# KiCad board lumpen.kicad_pcb (continued)
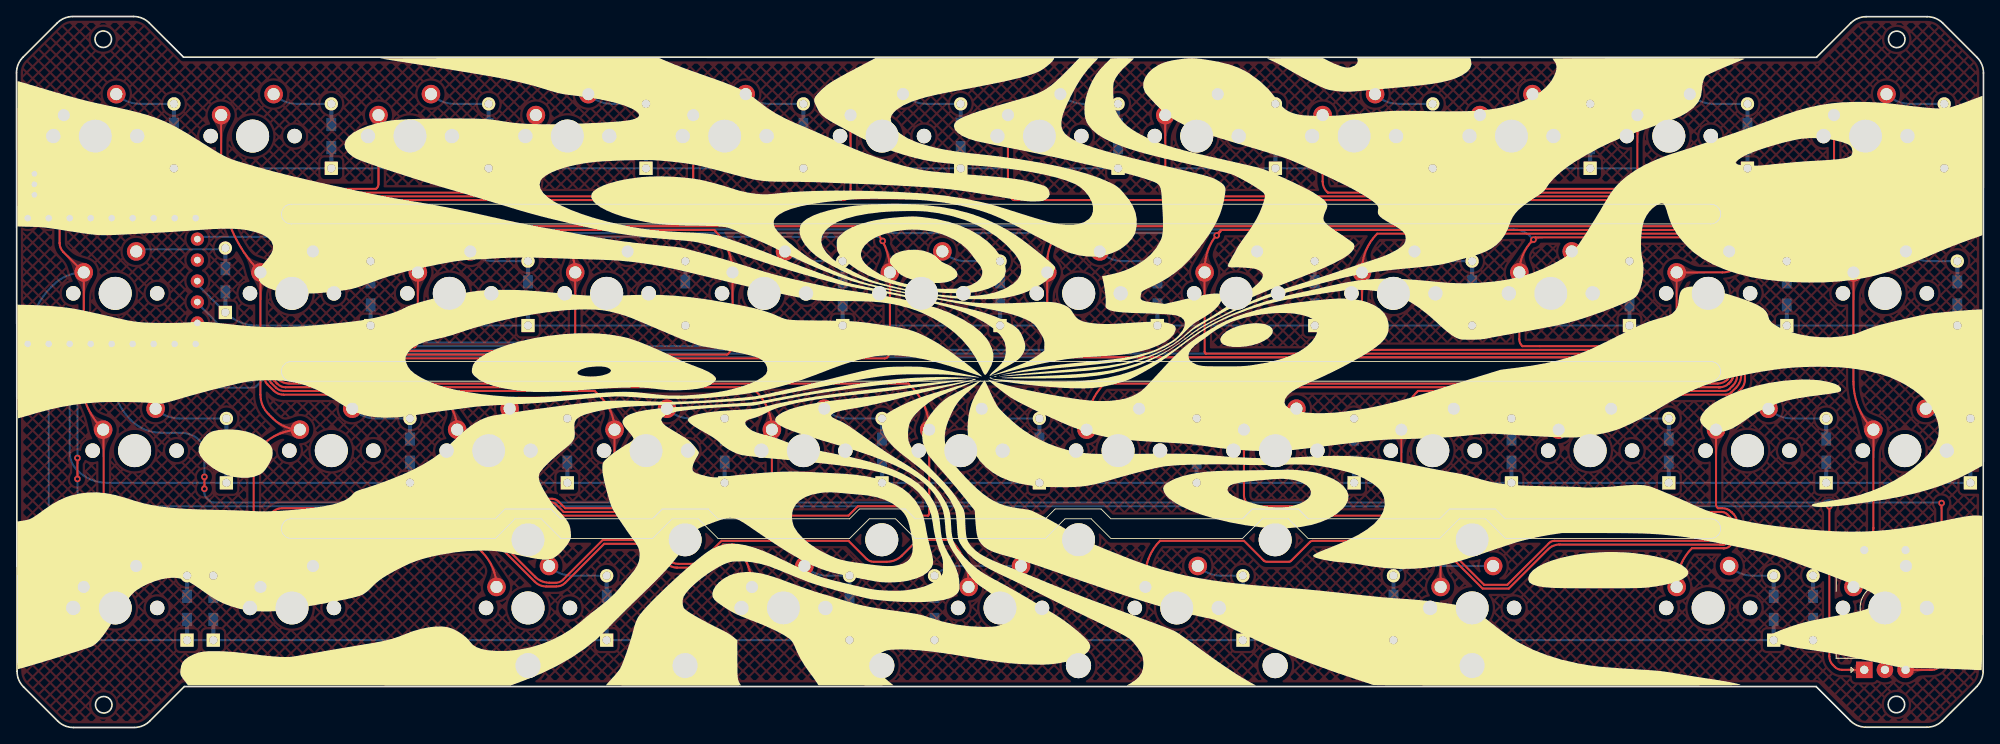
[diagram p0: board, top side]
## Copper pours and planes (outline as drawn; the poured copper is in the pictures) (continued)
COL3 on Top: 67.76,51.75 67.76,51.97 67.77,52.17 67.78,52.35 67.8,52.51 67.82,52.67 67.84,52.81 67.87,52.94 67.91,53.07 67.94,53.19 67.99,53.3 68.03,53.42 68.09,53.53 68.14,53.65 68.2,53.76 68.41,54.15 68.48,54.3 68.56,54.46 68.65,54.63 67.64,55.68 66.62,54.63 66.71,54.46 66.79,54.3 66.87,54.15 67.07,53.76 67.13,53.65 67.19,53.53 67.24,53.42 67.29,53.3 67.33,53.19 67.37,53.07 67.4,52.94 67.43,52.81 67.46,52.67 67.48,52.51 67.49,52.35 67.5,52.17 67.51,51.97 67.51,51.75
COL3 on Top: 66.6,58.26 66.7,58.09 66.79,57.93 66.86,57.78 66.92,57.64 66.97,57.5 67,57.37 67.02,57.24 67.03,57.12 67.03,57 67.03,56.88 67.01,56.76 66.98,56.64 66.95,56.52 66.91,56.39 66.87,56.26 66.82,56.13 66.76,55.98 66.65,55.68 66.58,55.51 67.69,54.56 68.59,55.73 68.48,55.9 68.37,56.06 68.28,56.2 68.19,56.33 68.11,56.46 67.34,57.57 67.25,57.71 67.15,57.86 67.05,58.02 66.93,58.2 66.81,58.39
COL3 on Top: 71.83,38.21 71.91,37.98 71.94,37.78 71.94,37.61 71.89,37.45 71.83,37.31 71.74,37.16 71.64,37.01 71.53,36.85 71.43,36.67 71.34,36.46 72.46,35.51 73.36,36.66 73.21,36.88 73.07,37.05 72.94,37.19 72.81,37.31 72.68,37.42 72.55,37.54 72.43,37.68 72.31,37.85 72.18,38.05 72.06,38.31
COL3 on Top: 67.1,57.28 67.17,57.04 67.2,56.84 67.19,56.66 67.15,56.51 67.07,56.36 66.99,56.22 66.88,56.07 66.78,55.91 66.68,55.73 66.58,55.51 67.69,54.56 68.6,55.7 68.46,55.92 68.32,56.09 68.19,56.23 68.06,56.35 67.93,56.47 67.81,56.59 67.68,56.73 67.57,56.9 67.45,57.11 67.33,57.37
COL3 on Top: 67.76,52.88 67.78,53.14 67.82,53.36 67.88,53.54 67.96,53.69 68.06,53.83 68.17,53.96 68.29,54.09 68.41,54.24 68.53,54.42 68.65,54.63 67.64,55.68 66.62,54.63 66.74,54.42 66.86,54.24 66.98,54.09 67.1,53.96 67.21,53.83 67.31,53.69 67.39,53.54 67.46,53.36 67.5,53.14 67.51,52.88
COL3 on Bottom: 23.74,48.67 23.63,48.82 23.52,48.92 23.4,48.99 23.27,49.03 23.15,49.06 23.02,49.08 22.9,49.12 22.79,49.17 22.68,49.26 22.59,49.39 21.49,48.99 22.24,48.27 22.39,48.36 22.54,48.45 22.68,48.55 22.82,48.64 22.95,48.72 23.08,48.77 23.2,48.79 23.31,48.76 23.42,48.69 23.52,48.55
COL3 on Bottom: 24.11,48.34 24,48.45 23.9,48.54 23.81,48.62 23.72,48.69 23.63,48.75 23.55,48.81 23.47,48.86 23.4,48.9 23.11,49.06 23.03,49.11 22.96,49.15 22.88,49.2 22.8,49.26 22.72,49.32 22.64,49.39 22.55,49.47 22.46,49.56 21.49,48.99 22.24,48.27 22.34,48.32 22.44,48.37 22.53,48.41 22.62,48.45 22.7,48.48 22.79,48.51 22.87,48.53 22.95,48.55 23.03,48.56 23.11,48.57 23.19,48.57 23.27,48.56 23.35,48.54 23.43,48.52 23.51,48.48 23.59,48.44 23.67,48.39 23.76,48.33 23.84,48.25 23.93,48.17
COL4 on Top: 88.14,20.21 88.23,20.04 88.31,19.87 88.37,19.71 88.42,19.56 88.45,19.42 88.48,19.29 88.49,19.16 88.5,19.03 88.49,18.91 88.48,18.79 88.45,18.67 88.42,18.55 88.39,18.43 88.34,18.31 88.29,18.18 88.24,18.04 88.12,17.76 88.06,17.6 87.99,17.43 89.08,16.46 90.01,17.59 89.9,17.76 89.81,17.92 89.72,18.07 89.63,18.21 89.55,18.33 89.12,18.99 89.05,19.11 88.98,19.22 88.91,19.34 88.83,19.48 88.75,19.62 88.66,19.77 88.57,19.94 88.47,20.13 88.36,20.33
COL4 on Top: 82.05,71.93 82.06,72.19 82.11,72.41 82.17,72.59 82.25,72.74 82.35,72.88 82.46,73.01 82.58,73.14 82.7,73.29 82.82,73.47 82.94,73.68 81.92,74.73 80.91,73.68 81.03,73.47 81.15,73.29 81.27,73.14 81.39,73.01 81.5,72.88 81.6,72.74 81.68,72.59 81.74,72.41 81.78,72.19 81.8,71.93
COL4 on Top: 85.78,58.32 85.87,58.14 85.94,57.97 86.01,57.81 86.06,57.66 86.09,57.52 86.12,57.39 86.13,57.26 86.14,57.13 86.13,57.01 86.12,56.89 86.1,56.77 86.07,56.65 86.03,56.53 85.99,56.41 85.94,56.28 85.89,56.14 85.77,55.85 85.7,55.7 85.64,55.53 86.73,54.56 87.66,55.69 87.55,55.87 87.46,56.03 87.37,56.17 87.28,56.31 87.2,56.44 86.77,57.1 86.7,57.21 86.62,57.32 86.55,57.44 86.47,57.58 86.39,57.72 86.3,57.87 86.21,58.04 86.11,58.23 86,58.43
COL4 on Top: 82.05,70.8 82.05,71.02 82.06,71.22 82.07,71.4 82.09,71.56 82.11,71.72 82.13,71.86 82.16,71.99 82.19,72.12 82.23,72.24 82.27,72.35 82.32,72.47 82.37,72.58 82.43,72.7 82.49,72.81 82.69,73.2 82.77,73.35 82.85,73.51 82.94,73.68 81.92,74.73 80.91,73.68 81,73.51 81.08,73.35 81.16,73.2 81.36,72.81 81.42,72.7 81.48,72.58 81.53,72.47 81.57,72.35 81.62,72.24 81.65,72.12 81.69,71.99 81.72,71.86 81.74,71.72 81.76,71.56 81.78,71.4 81.79,71.22 81.8,71.02 81.8,70.8
COL4 on Top: 90.95,38.24 91.02,38 91.04,37.8 91.02,37.62 90.97,37.46 90.9,37.32 90.81,37.18 90.71,37.03 90.6,36.87 90.49,36.69 90.4,36.47 91.5,35.51 92.42,36.65 92.28,36.86 92.14,37.03 92.01,37.17 91.88,37.3 91.75,37.42 91.63,37.54 91.52,37.68 91.4,37.85 91.29,38.06 91.18,38.32
COL4 on Top: 86.81,51.75 86.81,51.97 86.82,52.17 86.83,52.35 86.85,52.51 86.87,52.67 86.89,52.81 86.92,52.94 86.96,53.07 86.99,53.19 87.04,53.3 87.08,53.42 87.14,53.53 87.19,53.65 87.25,53.76 87.46,54.15 87.53,54.3 87.61,54.46 87.7,54.63 86.69,55.68 85.67,54.63 85.76,54.46 85.84,54.3 85.92,54.15 86.12,53.76 86.18,53.65 86.24,53.53 86.29,53.42 86.34,53.3 86.38,53.19 86.42,53.07 86.45,52.94 86.48,52.81 86.51,52.67 86.53,52.51 86.54,52.35 86.55,52.17 86.56,51.97 86.56,51.75
COL4 on Top: 86.81,52.88 86.83,53.14 86.87,53.36 86.93,53.54 87.01,53.69 87.11,53.83 87.22,53.96 87.34,54.09 87.46,54.24 87.58,54.42 87.7,54.63 86.69,55.68 85.67,54.63 85.79,54.42 85.91,54.24 86.03,54.09 86.15,53.96 86.26,53.83 86.36,53.69 86.44,53.54 86.51,53.36 86.55,53.14 86.56,52.88
COL4 on Top: 90.49,39.24 90.59,39.07 90.67,38.9 90.73,38.75 90.79,38.6 90.83,38.46 90.85,38.33 90.87,38.2 90.88,38.08 90.88,37.96 90.87,37.84 90.85,37.72 90.82,37.6 90.78,37.47 90.74,37.35 90.69,37.22 90.64,37.09 90.46,36.64 90.4,36.47 91.5,35.51 92.42,36.65 92.31,36.82 92.21,36.98 92.12,37.13 92.03,37.27 91.95,37.39 91.88,37.51 91.44,38.16 91.37,38.27 91.29,38.39 91.21,38.52 91.12,38.66 91.03,38.82 90.93,38.98 90.82,39.17 90.71,39.37
COL4 on Top: 86.21,57.3 86.27,57.06 86.29,56.85 86.27,56.67 86.22,56.52 86.15,56.37 86.05,56.23 85.95,56.08 85.84,55.92 85.74,55.74 85.64,55.53 86.73,54.56 87.66,55.69 87.52,55.9 87.38,56.08 87.25,56.22 87.12,56.34 87,56.46 86.88,56.59 86.76,56.73 86.65,56.9 86.55,57.11 86.45,57.38
COL4 on Top: 88.57,19.2 88.63,18.95 88.65,18.75 88.63,18.57 88.58,18.42 88.5,18.27 88.41,18.13 88.3,17.98 88.19,17.83 88.09,17.64 87.99,17.43 89.08,16.46 90.01,17.59 89.87,17.8 89.74,17.97 89.61,18.12 89.48,18.24 89.36,18.36 89.24,18.49 89.12,18.63 89.01,18.8 88.91,19.01 88.81,19.28
COL4 on Top: 91.57,32.7 91.58,32.92 91.58,33.12 91.59,33.3 91.61,33.46 91.63,33.62 91.66,33.76 91.69,33.89 91.72,34.02 91.76,34.14 91.8,34.25 91.85,34.37 91.9,34.48 91.95,34.6 92.01,34.71 92.22,35.1 92.3,35.25 92.38,35.41 92.46,35.58 91.45,36.63 90.44,35.58 90.52,35.41 90.6,35.25 90.68,35.1 90.89,34.71 90.95,34.6 91,34.48 91.05,34.37 91.1,34.25 91.14,34.14 91.18,34.02 91.21,33.89 91.24,33.76 91.27,33.62 91.29,33.46 91.3,33.3 91.32,33.12 91.32,32.92 91.32,32.7
COL4 on Top: 91.57,33.83 91.59,34.09 91.63,34.31 91.69,34.49 91.78,34.64 91.88,34.78 91.99,34.91 92.1,35.04 92.22,35.19 92.34,35.37 92.46,35.58 91.45,36.63 90.44,35.58 90.55,35.37 90.68,35.19 90.8,35.04 90.91,34.91 91.02,34.78 91.12,34.64 91.2,34.49 91.27,34.31 91.31,34.09 91.32,33.83
COL4 on Bottom: 23.24,46.31 23.08,46.32 22.94,46.35 22.83,46.39 22.74,46.45 22.66,46.52 22.59,46.6 22.52,46.69 22.44,46.8 22.35,46.9 22.25,47.02 21.3,46.59 21.77,45.66 21.95,45.69 22.11,45.73 22.24,45.78 22.36,45.83 22.47,45.89 22.59,45.94 22.71,45.99 22.86,46.02 23.03,46.05 23.24,46.06
COL4 on Bottom: 24.04,46.31 23.9,46.31 23.77,46.31 23.65,46.32 23.54,46.32 23.44,46.33 23.34,46.35 23.25,46.36 23.17,46.38 23.09,46.41 23.01,46.44 22.93,46.47 22.86,46.51 22.79,46.55 22.72,46.6 22.65,46.65 22.57,46.71 22.5,46.78 22.42,46.85 22.34,46.93 22.25,47.02 21.3,46.59 21.77,45.66 21.92,45.68 22.05,45.7 22.17,45.72 22.28,45.74 22.39,45.77 22.49,45.79 22.58,45.82 22.85,45.9 22.94,45.93 23.04,45.95 23.13,45.97 23.23,45.99 23.34,46.01 23.46,46.03 23.59,46.04 23.73,46.05 23.88,46.06 24.04,46.06
COL5 on Top: 104.97,58.36 105.05,58.18 105.12,58 105.17,57.84 105.21,57.69 105.24,57.54 105.26,57.4 105.26,57.27 105.26,57.15 105.25,57.03 105.23,56.91 105.2,56.79 105.17,56.67 105.12,56.55 105.08,56.42 105.02,56.3 104.96,56.16 104.84,55.88 104.77,55.72 104.7,55.55 105.77,54.56 106.72,55.67 106.62,55.85 106.53,56.01 106.44,56.16 106.36,56.29 106.01,56.88 105.94,56.98 105.88,57.09 105.82,57.21 105.75,57.33 105.68,57.45 105.61,57.59 105.54,57.73 105.46,57.89 105.38,58.07 105.3,58.26 105.2,58.46
COL5 on Top: 114.92,19.23 114.97,18.98 114.97,18.77 114.94,18.59 114.87,18.43 114.79,18.29 114.68,18.15 114.57,18.01 114.45,17.86 114.33,17.68 114.23,17.47 115.29,16.46 116.25,17.56 116.12,17.77 116,17.95 115.87,18.09 115.64,18.35 115.53,18.48 115.43,18.63 115.33,18.8 115.25,19.02 115.17,19.29
COL5 on Top: 110.62,32.7 110.63,32.92 110.63,33.12 110.64,33.3 110.66,33.46 110.68,33.62 110.71,33.76 110.74,33.89 110.77,34.02 110.81,34.14 110.85,34.25 110.9,34.37 110.95,34.48 111,34.6 111.06,34.71 111.27,35.1 111.35,35.25 111.43,35.41 111.51,35.58 110.5,36.63 109.49,35.58 109.57,35.41 109.65,35.25 109.73,35.1 109.94,34.71 110,34.6 110.05,34.48 110.1,34.37 110.15,34.25 110.19,34.14 110.23,34.02 110.26,33.89 110.29,33.76 110.32,33.62 110.34,33.46 110.35,33.3 110.37,33.12 110.37,32.92 110.37,32.7
COL5 on Top: 101.1,71.93 101.11,72.19 101.16,72.41 101.22,72.59 101.3,72.74 101.4,72.88 101.51,73.01 101.63,73.14 101.75,73.29 101.87,73.47 101.99,73.68 100.97,74.73 99.96,73.68 100.08,73.47 100.2,73.29 100.32,73.14 100.44,73.01 100.55,72.88 100.65,72.74 100.73,72.59 100.79,72.41 100.83,72.19 100.85,71.93
COL5 on Top: 105.86,52.88 105.88,53.14 105.92,53.36 105.98,53.54 106.06,53.69 106.16,53.83 106.27,53.96 106.39,54.09 106.51,54.24 106.63,54.42 106.75,54.63 105.74,55.68 104.72,54.63 104.84,54.42 104.96,54.24 105.08,54.09 105.2,53.96 105.31,53.83 105.41,53.69 105.49,53.54 105.56,53.36 105.6,53.14 105.61,52.88
COL5 on Top: 110.62,33.83 110.64,34.09 110.68,34.31 110.74,34.49 110.83,34.64 110.93,34.78 111.04,34.91 111.15,35.04 111.27,35.19 111.39,35.37 111.51,35.58 110.5,36.63 109.49,35.58 109.6,35.37 109.73,35.19 109.85,35.04 109.96,34.91 110.07,34.78 110.17,34.64 110.25,34.49 110.32,34.31 110.36,34.09 110.37,33.83
COL5 on Top: 101.1,70.8 101.1,71.02 101.11,71.22 101.12,71.4 101.14,71.56 101.16,71.72 101.18,71.86 101.21,71.99 101.24,72.12 101.28,72.24 101.32,72.35 101.37,72.47 101.42,72.58 101.48,72.7 101.54,72.81 101.74,73.2 101.82,73.35 101.9,73.51 101.99,73.68 100.97,74.73 99.96,73.68 100.05,73.51 100.13,73.35 100.21,73.2 100.41,72.81 100.47,72.7 100.53,72.58 100.58,72.47 100.62,72.35 100.67,72.24 100.7,72.12 100.74,71.99 100.77,71.86 100.79,71.72 100.81,71.56 100.83,71.4 100.84,71.22 100.85,71.02 100.85,70.8
COL5 on Top: 105.86,51.75 105.86,51.97 105.87,52.17 105.88,52.35 105.9,52.51 105.92,52.67 105.94,52.81 105.97,52.94 106.01,53.07 106.04,53.19 106.09,53.3 106.13,53.42 106.19,53.53 106.24,53.65 106.3,53.76 106.51,54.15 106.58,54.3 106.66,54.46 106.75,54.63 105.74,55.68 104.72,54.63 104.81,54.46 104.89,54.3 104.97,54.15 105.17,53.76 105.23,53.65 105.29,53.53 105.34,53.42 105.39,53.3 105.43,53.19 105.47,53.07 105.5,52.94 105.53,52.81 105.56,52.67 105.58,52.51 105.59,52.35 105.6,52.17 105.61,51.97 105.61,51.75
COL5 on Top: 114.58,20.28 114.65,20.09 114.72,19.91 114.76,19.75 114.8,19.59 114.82,19.45 114.84,19.31 114.84,19.18 114.83,19.06 114.82,18.93 114.79,18.81 114.76,18.7 114.72,18.58 114.68,18.46 114.63,18.34 114.57,18.21 114.51,18.08 114.37,17.79 114.3,17.63 114.23,17.47 115.29,16.46 116.25,17.56 116.15,17.73 116.07,17.9 115.98,18.05 115.57,18.77 115.51,18.88 115.45,18.99 115.39,19.11 115.33,19.23 115.26,19.35 115.2,19.49 115.13,19.64 115.06,19.8 114.98,19.97 114.9,20.16 114.81,20.37
COL5 on Top: 110.04,38.25 110.1,38.01 110.11,37.8 110.09,37.62 110.04,37.47 109.96,37.32 109.87,37.18 109.77,37.04 109.66,36.88 109.55,36.7 109.45,36.48 110.54,35.51 111.47,36.64 111.33,36.85 111.2,37.02 111.07,37.17 110.94,37.29 110.82,37.41 110.7,37.54 110.58,37.68 110.48,37.85 110.37,38.06 110.28,38.33
COL5 on Top: 105.35,57.32 105.4,57.07 105.4,56.86 105.38,56.68 105.32,56.53 105.23,56.38 105.14,56.25 105.03,56.1 104.91,55.94 104.8,55.76 104.7,55.55 105.77,54.56 106.72,55.67 106.59,55.89 106.46,56.06 106.33,56.21 106.21,56.33 106.09,56.46 105.97,56.58 105.87,56.73 105.77,56.9 105.67,57.12 105.59,57.39
COL5 on Top: 109.62,39.28 109.71,39.1 109.78,38.93 109.84,38.77 109.89,38.62 109.92,38.47 109.95,38.34 109.96,38.21 109.96,38.09 109.96,37.96 109.94,37.84 109.92,37.72 109.89,37.61 109.85,37.48 109.81,37.36 109.76,37.23 109.7,37.1 109.58,36.81 109.52,36.65 109.45,36.48 110.54,35.51 111.47,36.64 111.37,36.81 111.27,36.97 111.18,37.12 111.1,37.26 111.02,37.38 110.66,37.94 110.59,38.04 110.52,38.15 110.45,38.27 110.38,38.39 110.3,38.53 110.22,38.67 110.14,38.83 110.05,39 109.95,39.18 109.85,39.39
COL5 on Bottom: 24.24,59.55 24.08,59.56 23.93,59.56 23.79,59.57 23.66,59.58 23.55,59.6 23.44,59.62 23.33,59.64 23.24,59.66 23.15,59.69 22.79,59.79 22.69,59.82 22.59,59.84 22.49,59.87 22.37,59.89 22.25,59.91 22.12,59.93 21.97,59.95 21.52,59.02 22.47,58.6 22.55,58.68 22.63,58.76 22.71,58.84 22.78,58.9 22.86,58.96 22.93,59.02 23,59.06 23.07,59.11 23.14,59.14 23.22,59.18 23.29,59.21 23.37,59.23 23.46,59.25 23.55,59.27 23.65,59.28 23.75,59.29 23.86,59.3 23.98,59.3 24.11,59.3 24.24,59.3
COL5 on Bottom: 23.44,59.55 23.24,59.56 23.06,59.59 22.92,59.63 22.79,59.67 22.67,59.73 22.56,59.78 22.44,59.83 22.31,59.88 22.16,59.92 21.97,59.95 21.52,59.02 22.47,58.6 22.57,58.71 22.65,58.82 22.73,58.92 22.8,59.01 22.87,59.09 22.95,59.16 23.04,59.22 23.15,59.27 23.28,59.29 23.44,59.3
COL6 on Top: 124.77,57.46 124.71,57.18 124.63,56.95 124.54,56.76 124.45,56.6 124.35,56.46 124.13,56.19 124.01,56.03 123.9,55.84 123.77,55.61 124.79,54.56 125.8,55.61 125.68,55.83 125.55,56.01 125.43,56.16 125.31,56.31 125.2,56.44 125.1,56.59 125.03,56.75 124.99,56.93 124.98,57.15 125.02,57.41
COL6 on Top: 120.15,71.93 120.16,72.19 120.21,72.41 120.27,72.59 120.35,72.74 120.45,72.88 120.56,73.01 120.68,73.14 120.8,73.29 120.92,73.47 121.04,73.68 120.02,74.73 119.01,73.68 119.13,73.47 119.25,73.29 119.37,73.14 119.49,73.01 119.6,72.88 119.7,72.74 119.78,72.59 119.84,72.41 119.88,72.19 119.9,71.93
COL6 on Top: 124.91,51.75 124.91,51.97 124.92,52.17 124.93,52.35 124.95,52.51 124.97,52.67 124.99,52.81 125.02,52.94 125.06,53.07 125.09,53.19 125.14,53.3 125.18,53.42 125.24,53.53 125.29,53.65 125.35,53.76 125.56,54.15 125.63,54.3 125.71,54.46 125.8,54.63 124.79,55.68 123.77,54.63 123.86,54.46 123.94,54.3 124.02,54.15 124.22,53.76 124.28,53.65 124.34,53.53 124.39,53.42 124.44,53.3 124.48,53.19 124.52,53.07 124.55,52.94 124.58,52.81 124.61,52.67 124.63,52.51 124.64,52.35 124.65,52.17 124.66,51.97 124.66,51.75
COL6 on Top: 120.15,70.8 120.15,71.02 120.16,71.22 120.17,71.4 120.19,71.56 120.21,71.72 120.23,71.86 120.26,71.99 120.29,72.12 120.33,72.24 120.37,72.35 120.42,72.47 120.47,72.58 120.53,72.7 120.59,72.81 120.79,73.2 120.87,73.35 120.95,73.51 121.04,73.68 120.02,74.73 119.01,73.68 119.1,73.51 119.18,73.35 119.26,73.2 119.46,72.81 119.52,72.7 119.58,72.58 119.63,72.47 119.67,72.35 119.72,72.24 119.75,72.12 119.79,71.99 119.82,71.86 119.84,71.72 119.86,71.56 119.88,71.4 119.89,71.22 119.9,71.02 119.9,70.8
COL6 on Top: 129.67,38.34 129.59,38.07 129.5,37.86 129.4,37.68 129.29,37.53 129.18,37.4 128.95,37.15 128.82,37 128.69,36.83 128.56,36.61 129.52,35.51 130.59,36.51 130.48,36.72 130.37,36.9 130.25,37.06 130.14,37.2 130.04,37.34 129.95,37.48 129.89,37.64 129.86,37.82 129.86,38.03 129.91,38.28
COL6 on Top: 124.91,52.88 124.93,53.14 124.97,53.36 125.03,53.54 125.11,53.69 125.21,53.83 125.32,53.96 125.44,54.09 125.56,54.24 125.68,54.42 125.8,54.63 124.79,55.68 123.77,54.63 123.89,54.42 124.01,54.24 124.13,54.09 124.25,53.96 124.36,53.83 124.46,53.69 124.54,53.54 124.61,53.36 124.65,53.14 124.66,52.88
COL6 on Bottom: 19.18,44.85 19.19,45.04 19.22,45.19 19.26,45.31 19.32,45.41 19.39,45.51 19.46,45.59 19.55,45.68 19.64,45.78 19.73,45.9 19.82,46.03 19.18,46.85 18.39,46.18 18.46,46.02 18.53,45.88 18.6,45.77 18.67,45.66 18.74,45.56 18.8,45.46 18.86,45.34 18.9,45.21 18.93,45.05 18.93,44.85
COL6 on Bottom: 19.18,44.05 19.19,44.2 19.19,44.34 19.2,44.47 19.2,44.58 19.22,44.69 19.23,44.79 19.25,44.89 19.27,44.98 19.29,45.06 19.32,45.14 19.35,45.22 19.39,45.3 19.43,45.38 19.47,45.46 19.52,45.54 19.57,45.63 19.82,46.03 19.18,46.85 18.39,46.18 18.44,46.05 18.49,45.93 18.53,45.82 18.69,45.44 18.72,45.36 18.76,45.27 18.79,45.19 18.81,45.1 18.84,45.02 18.86,44.92 18.88,44.83 18.9,44.72 18.91,44.61 18.92,44.49 18.93,44.36 18.93,44.21 18.93,44.05
COL7 on Top: 136.96,20.56 136.48,19.33 136.42,19.2 136.37,19.08 136.32,18.95 136.27,18.83 136.21,18.71 136.16,18.59 136.1,18.46 136.04,18.33 135.97,18.19 135.9,18.04 135.65,17.51 136.66,16.46 137.67,17.51 137.59,17.69 137.5,17.85 137.35,18.14 137.28,18.28 137.21,18.41 137.15,18.54 137.1,18.67 137.05,18.79 137.01,18.92 136.98,19.04 136.96,19.17 136.95,19.3 136.95,19.44 136.96,19.59 136.98,19.74 137.01,19.91 137.06,20.08 137.12,20.27 137.19,20.47
COL7 on Top: 143.96,51.75 143.96,51.97 143.97,52.17 143.98,52.35 144,52.51 144.02,52.67 144.04,52.81 144.07,52.94 144.11,53.07 144.14,53.19 144.19,53.3 144.23,53.42 144.29,53.53 144.34,53.65 144.4,53.76 144.61,54.15 144.68,54.3 144.76,54.46 144.85,54.63 143.84,55.68 142.82,54.63 142.91,54.46 142.99,54.3 143.07,54.15 143.27,53.76 143.33,53.65 143.39,53.53 143.44,53.42 143.49,53.3 143.53,53.19 143.57,53.07 143.6,52.94 143.63,52.81 143.66,52.67 143.68,52.51 143.69,52.35 143.7,52.17 143.71,51.97 143.71,51.75
COL7 on Top: 144.38,58.46 144.28,58.26 144.19,58.07 144.11,57.9 144.03,57.74 143.95,57.59 143.88,57.46 143.81,57.33 143.74,57.21 143.68,57.1 143.13,56.16 143.04,56.01 142.95,55.84 142.85,55.67 143.81,54.56 144.87,55.55 144.8,55.72 144.73,55.88 144.6,56.17 144.55,56.3 144.49,56.43 144.44,56.55 144.4,56.67 144.36,56.79 144.33,56.91 144.31,57.03 144.3,57.15 144.3,57.28 144.31,57.41 144.33,57.54 144.36,57.69 144.4,57.84 144.46,58 144.52,58.17 144.61,58.35
COL7 on Top: 139.2,70.8 139.2,71.02 139.21,71.22 139.22,71.4 139.24,71.56 139.26,71.72 139.28,71.86 139.31,71.99 139.34,72.12 139.38,72.24 139.42,72.35 139.47,72.47 139.52,72.58 139.58,72.7 139.64,72.81 139.84,73.2 139.92,73.35 140,73.51 140.09,73.68 139.07,74.73 138.06,73.68 138.15,73.51 138.23,73.35 138.31,73.2 138.51,72.81 138.57,72.7 138.63,72.58 138.68,72.47 138.72,72.35 138.77,72.24 138.8,72.12 138.84,71.99 138.87,71.86 138.89,71.72 138.91,71.56 138.93,71.4 138.94,71.22 138.95,71.02 138.95,70.8
COL7 on Top: 143.98,57.39 143.89,57.12 143.79,56.91 143.69,56.73 143.59,56.59 143.47,56.46 143.36,56.33 143.24,56.2 143.11,56.06 142.98,55.88 142.85,55.67 143.81,54.56 144.87,55.55 144.77,55.77 144.66,55.95 144.54,56.11 144.43,56.25 144.33,56.39 144.24,56.53 144.18,56.69 144.15,56.87 144.16,57.07 144.22,57.32
COL7 on Top: 143.96,52.88 143.98,53.14 144.02,53.36 144.08,53.54 144.16,53.69 144.26,53.83 144.37,53.96 144.49,54.09 144.61,54.24 144.73,54.42 144.85,54.63 143.84,55.68 142.82,54.63 142.94,54.42 143.06,54.24 143.18,54.09 143.3,53.96 143.41,53.83 143.51,53.69 143.59,53.54 143.66,53.36 143.7,53.14 143.71,52.88
COL7 on Top: 136.64,19.46 136.58,19.17 136.5,18.93 136.42,18.73 136.33,18.56 136.23,18.41 136.12,18.26 136.01,18.11 135.9,17.95 135.77,17.75 135.65,17.51 136.66,16.46 137.67,17.51 137.55,17.74 137.42,17.93 137.29,18.09 137.17,18.24 137.06,18.39 136.97,18.54 136.9,18.71 136.86,18.91 136.85,19.14 136.89,19.41
COL7 on Top: 148.72,33.83 148.74,34.09 148.78,34.31 148.84,34.49 148.93,34.64 149.03,34.78 149.14,34.91 149.25,35.04 149.37,35.19 149.49,35.37 149.61,35.58 148.6,36.63 147.59,35.58 147.7,35.37 147.83,35.19 147.95,35.04 148.06,34.91 148.17,34.78 148.27,34.64 148.35,34.49 148.42,34.31 148.46,34.09 148.47,33.83
COL7 on Top: 148.72,32.7 148.73,32.92 148.73,33.12 148.74,33.3 148.76,33.46 148.78,33.62 148.81,33.76 148.84,33.89 148.87,34.02 148.91,34.14 148.95,34.25 149,34.37 149.05,34.48 149.1,34.6 149.16,34.71 149.37,35.1 149.45,35.25 149.53,35.41 149.61,35.58 148.6,36.63 147.59,35.58 147.67,35.41 147.75,35.25 147.83,35.1 148.04,34.71 148.1,34.6 148.15,34.48 148.2,34.37 148.25,34.25 148.29,34.14 148.33,34.02 148.36,33.89 148.39,33.76 148.42,33.62 148.44,33.46 148.45,33.3 148.47,33.12 148.47,32.92 148.47,32.7
COL7 on Top: 148.88,38.32 148.77,38.06 148.66,37.85 148.54,37.68 148.42,37.54 148.3,37.42 148.17,37.3 148.05,37.18 147.91,37.04 147.78,36.86 147.63,36.65 148.55,35.51 149.65,36.47 149.56,36.68 149.45,36.86 149.35,37.02 149.25,37.17 149.15,37.31 149.08,37.46 149.04,37.62 149.02,37.79 149.05,38 149.12,38.23
COL7 on Top: 149.38,39.35 149.26,39.16 149.15,38.98 149.05,38.81 148.95,38.66 148.86,38.52 148.78,38.39 148.7,38.27 148.18,37.51 148.1,37.4 148.02,37.27 147.93,37.13 147.84,36.99 147.74,36.83 147.63,36.65 148.55,35.51 149.65,36.47 149.59,36.64 149.47,36.94 149.41,37.08 149.36,37.22 149.32,37.35 149.28,37.47 149.24,37.59 149.21,37.71 149.2,37.83 149.19,37.95 149.19,38.07 149.19,38.2 149.21,38.32 149.25,38.46 149.29,38.59 149.34,38.74 149.41,38.89 149.5,39.05 149.6,39.23
COL7 on Top: 139.2,71.93 139.21,72.19 139.26,72.41 139.32,72.59 139.4,72.74 139.5,72.88 139.61,73.01 139.73,73.14 139.85,73.29 139.97,73.47 140.09,73.68 139.07,74.73 138.06,73.68 138.18,73.47 138.3,73.29 138.42,73.14 138.54,73.01 138.65,72.88 138.75,72.74 138.83,72.59 138.89,72.41 138.93,72.19 138.95,71.93
COL7 on Bottom: 23.29,61.85 23.1,61.86 22.94,61.89 22.81,61.93 22.69,61.98 22.59,62.05 22.5,62.12 22.4,62.19 22.29,62.27 22.16,62.35 22,62.43 21.28,61.68 22.06,60.99 22.2,61.07 22.33,61.16 22.43,61.25 22.52,61.33 22.62,61.4 22.71,61.47 22.82,61.52 22.95,61.56 23.1,61.59 23.29,61.6
COL7 on Bottom: 24.09,61.85 23.93,61.85 23.79,61.86 23.66,61.86 23.54,61.87 23.43,61.89 23.33,61.9 23.23,61.92 23.14,61.94 23.05,61.97 22.97,62 22.88,62.03 22.8,62.06 22.72,62.09 22.63,62.13 22.24,62.32 22.13,62.37 22,62.43 21.28,61.68 22.06,60.99 22.18,61.05 22.57,61.27 22.66,61.31 22.74,61.36 22.82,61.39 22.9,61.43 22.98,61.46 23.07,61.49 23.15,61.51 23.24,61.53 23.34,61.55 23.44,61.57 23.55,61.58 23.67,61.59 23.8,61.59 23.94,61.6 24.09,61.6
COL8 on Top: 163.01,52.88 163.03,53.14 163.07,53.36 163.13,53.54 163.21,53.69 163.31,53.83 163.42,53.96 163.54,54.09 163.66,54.24 163.78,54.42 163.9,54.63 162.89,55.68 161.87,54.63 161.99,54.42 162.11,54.24 162.23,54.09 162.35,53.96 162.46,53.83 162.56,53.69 162.64,53.54 162.71,53.36 162.75,53.14 162.76,52.88
COL8 on Top: 167.77,32.7 167.78,32.92 167.78,33.12 167.79,33.3 167.81,33.46 167.83,33.62 167.86,33.76 167.89,33.89 167.92,34.02 167.96,34.14 168,34.25 168.05,34.37 168.1,34.48 168.15,34.6 168.21,34.71 168.42,35.1 168.5,35.25 168.58,35.41 168.66,35.58 167.65,36.63 166.64,35.58 166.72,35.41 166.8,35.25 166.88,35.1 167.09,34.71 167.15,34.6 167.2,34.48 167.25,34.37 167.3,34.25 167.34,34.14 167.38,34.02 167.41,33.89 167.44,33.76 167.47,33.62 167.49,33.46 167.5,33.3 167.52,33.12 167.52,32.92 167.52,32.7
COL8 on Top: 172.29,19.27 172.27,19 172.23,18.78 172.17,18.6 172.08,18.45 171.99,18.31 171.88,18.19 171.76,18.05 171.64,17.9 171.52,17.73 171.4,17.51 172.41,16.46 173.42,17.51 173.31,17.73 173.19,17.9 173.07,18.05 172.95,18.19 172.84,18.31 172.74,18.45 172.66,18.6 172.59,18.78 172.55,19 172.54,19.27
COL8 on Top: 158.25,70.8 158.25,71.02 158.26,71.22 158.27,71.4 158.29,71.56 158.31,71.72 158.33,71.86 158.36,71.99 158.39,72.12 158.43,72.24 158.47,72.35 158.52,72.47 158.57,72.58 158.63,72.7 158.69,72.81 158.89,73.2 158.97,73.35 159.05,73.51 159.14,73.68 158.12,74.73 157.11,73.68 157.2,73.51 157.28,73.35 157.36,73.2 157.56,72.81 157.62,72.7 157.68,72.58 157.73,72.47 157.77,72.35 157.82,72.24 157.85,72.12 157.89,71.99 157.92,71.86 157.94,71.72 157.96,71.56 157.98,71.4 157.99,71.22 158,71.02 158,70.8
COL8 on Top: 167.92,38.32 167.81,38.06 167.7,37.85 167.59,37.68 167.47,37.54 167.35,37.42 167.22,37.3 167.09,37.18 166.96,37.03 166.82,36.86 166.68,36.65 167.6,35.51 168.7,36.47 168.61,36.68 168.5,36.87 168.4,37.03 168.29,37.17 168.2,37.32 168.13,37.46 168.08,37.62 168.06,37.79 168.09,38 168.16,38.24
COL8 on Top: 172.29,20.12 172.29,19.94 172.28,19.77 172.27,19.61 172.26,19.46 172.25,19.32 172.23,19.18 172.21,19.06 172.18,18.95 172.15,18.83 172.12,18.73 172.08,18.62 172.04,18.52 171.99,18.43 171.94,18.33 171.88,18.23 171.81,18.13 171.75,18.02 171.67,17.92 171.59,17.8 171.51,17.69 172.41,16.46 173.32,17.69 173.23,17.8 173.15,17.92 173.08,18.02 173.01,18.13 172.95,18.23 172.89,18.33 172.84,18.43 172.79,18.52 172.74,18.62 172.71,18.73 172.67,18.83 172.64,18.95 172.62,19.06 172.59,19.18 172.58,19.32 172.56,19.46 172.55,19.61 172.54,19.77 172.54,19.94 172.54,20.12
COL8 on Top: 163.01,51.75 163.01,51.97 163.02,52.17 163.03,52.35 163.05,52.51 163.07,52.67 163.09,52.81 163.12,52.94 163.16,53.07 163.19,53.19 163.24,53.3 163.28,53.42 163.34,53.53 163.39,53.65 163.45,53.76 163.66,54.15 163.73,54.3 163.81,54.46 163.9,54.63 162.89,55.68 161.87,54.63 161.96,54.46 162.04,54.3 162.12,54.15 162.32,53.76 162.38,53.65 162.44,53.53 162.49,53.42 162.54,53.3 162.58,53.19 162.62,53.07 162.65,52.94 162.68,52.81 162.71,52.67 162.73,52.51 162.74,52.35 162.75,52.17 162.76,51.97 162.76,51.75